# Allegro board board_orcad.brd
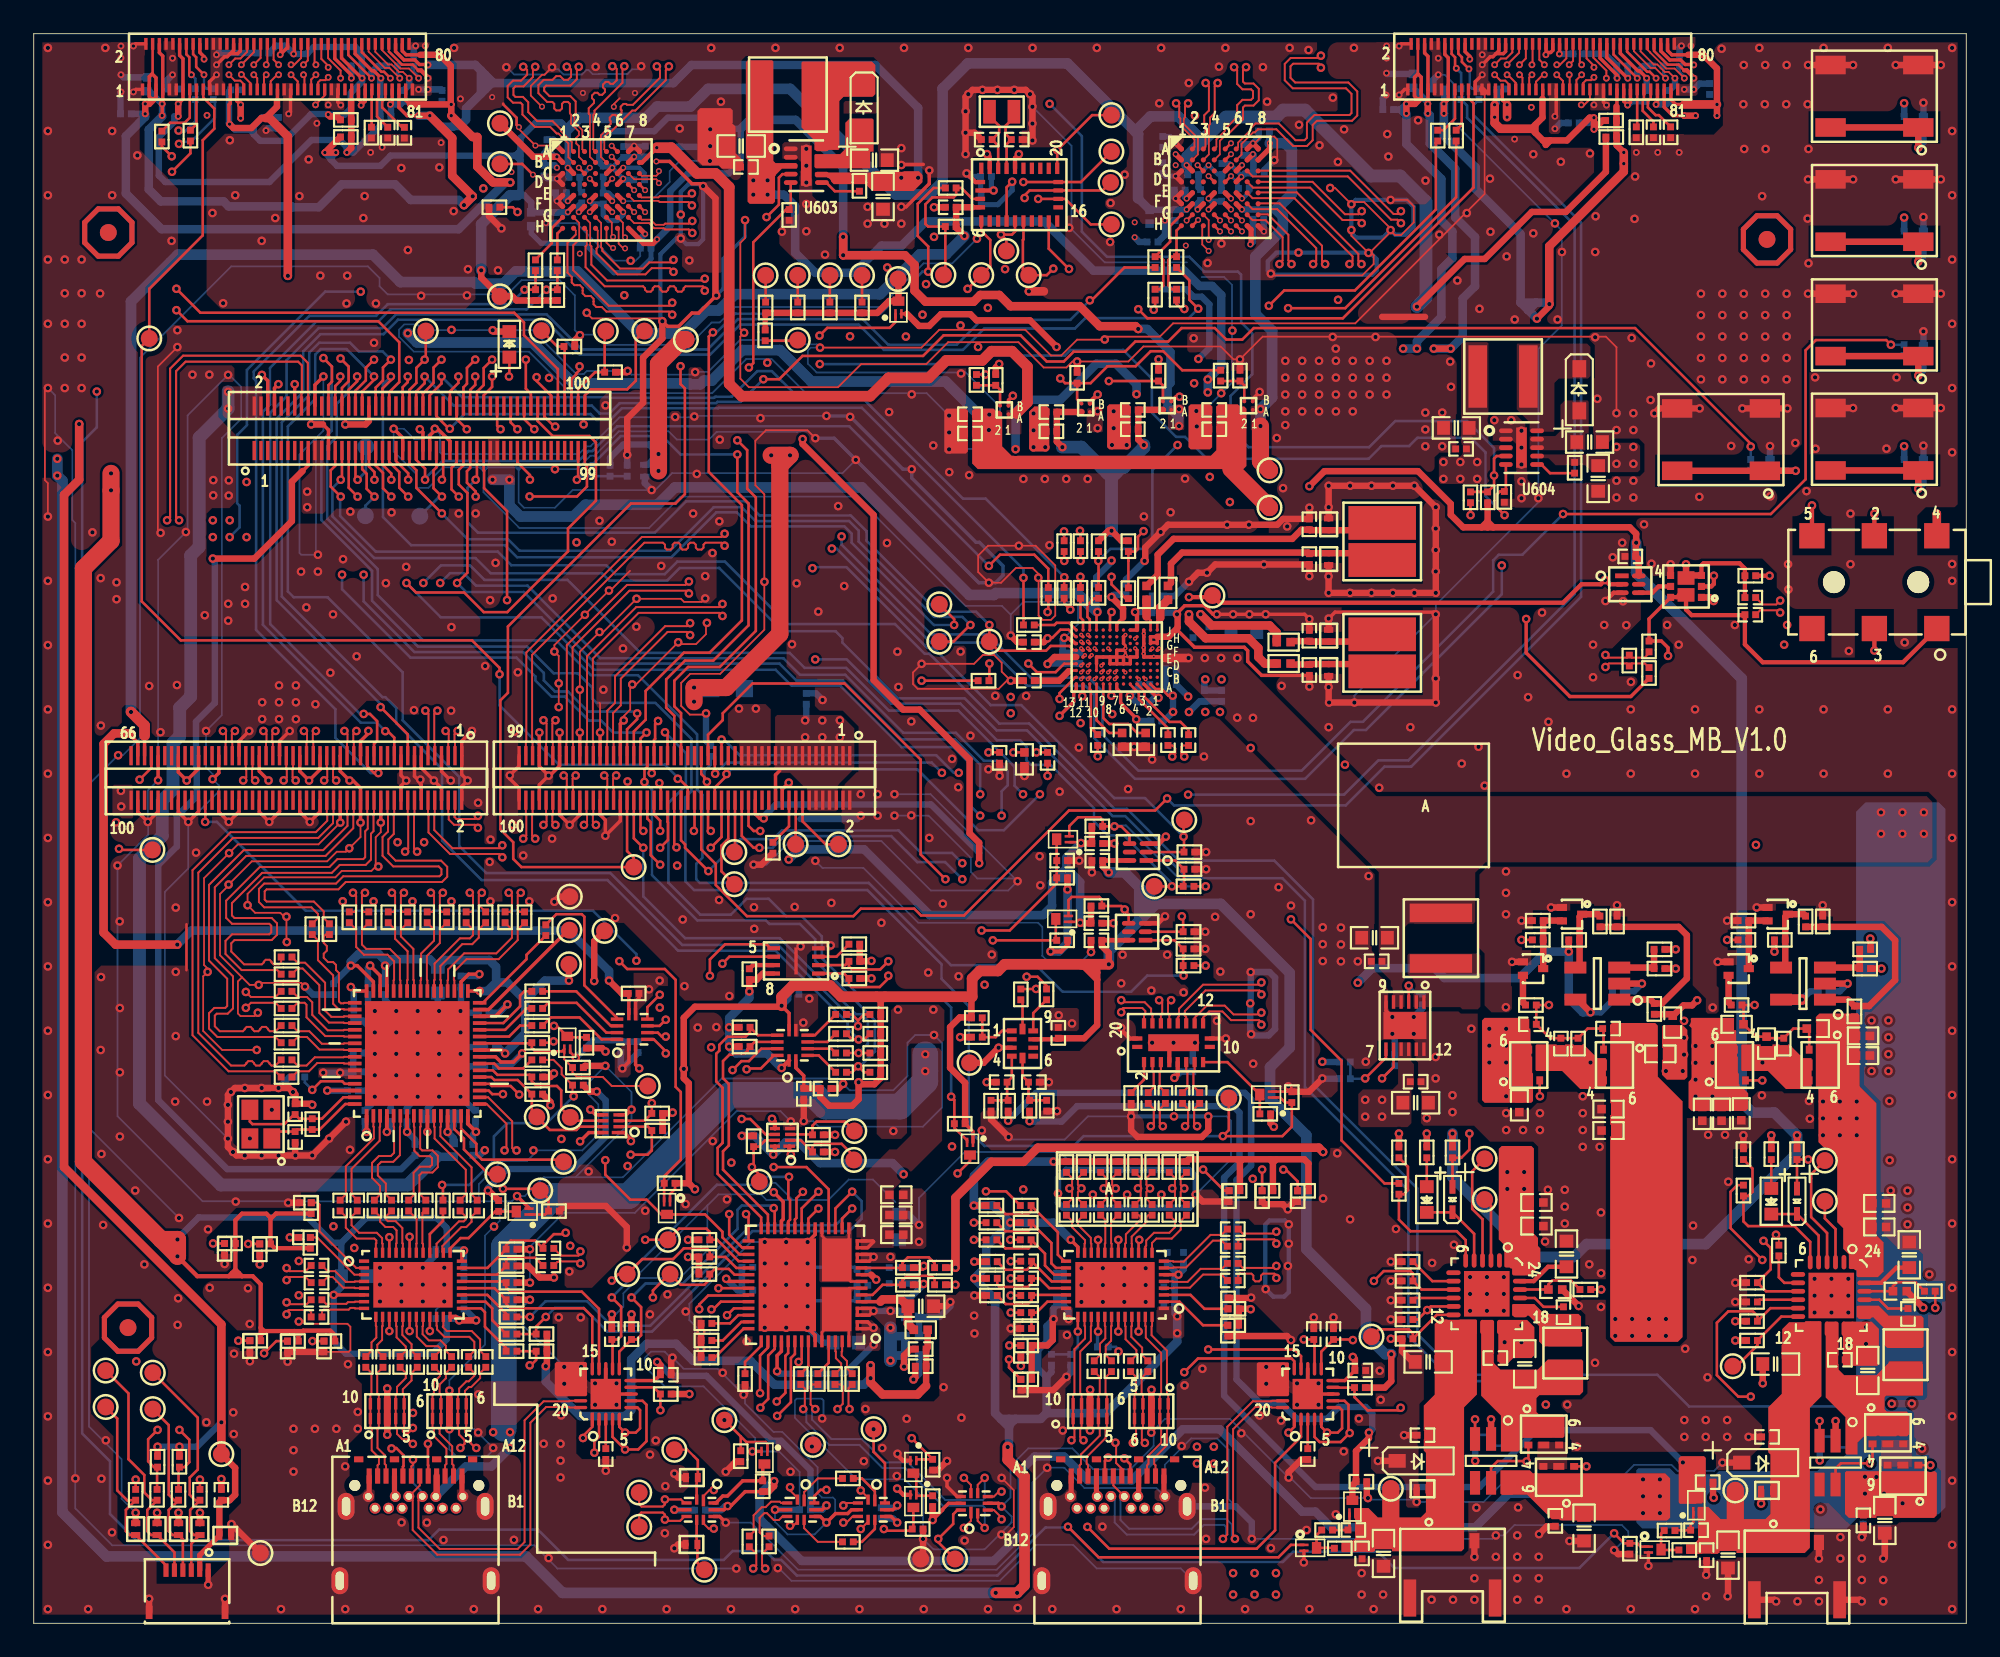
[diagram p0: board, top side]
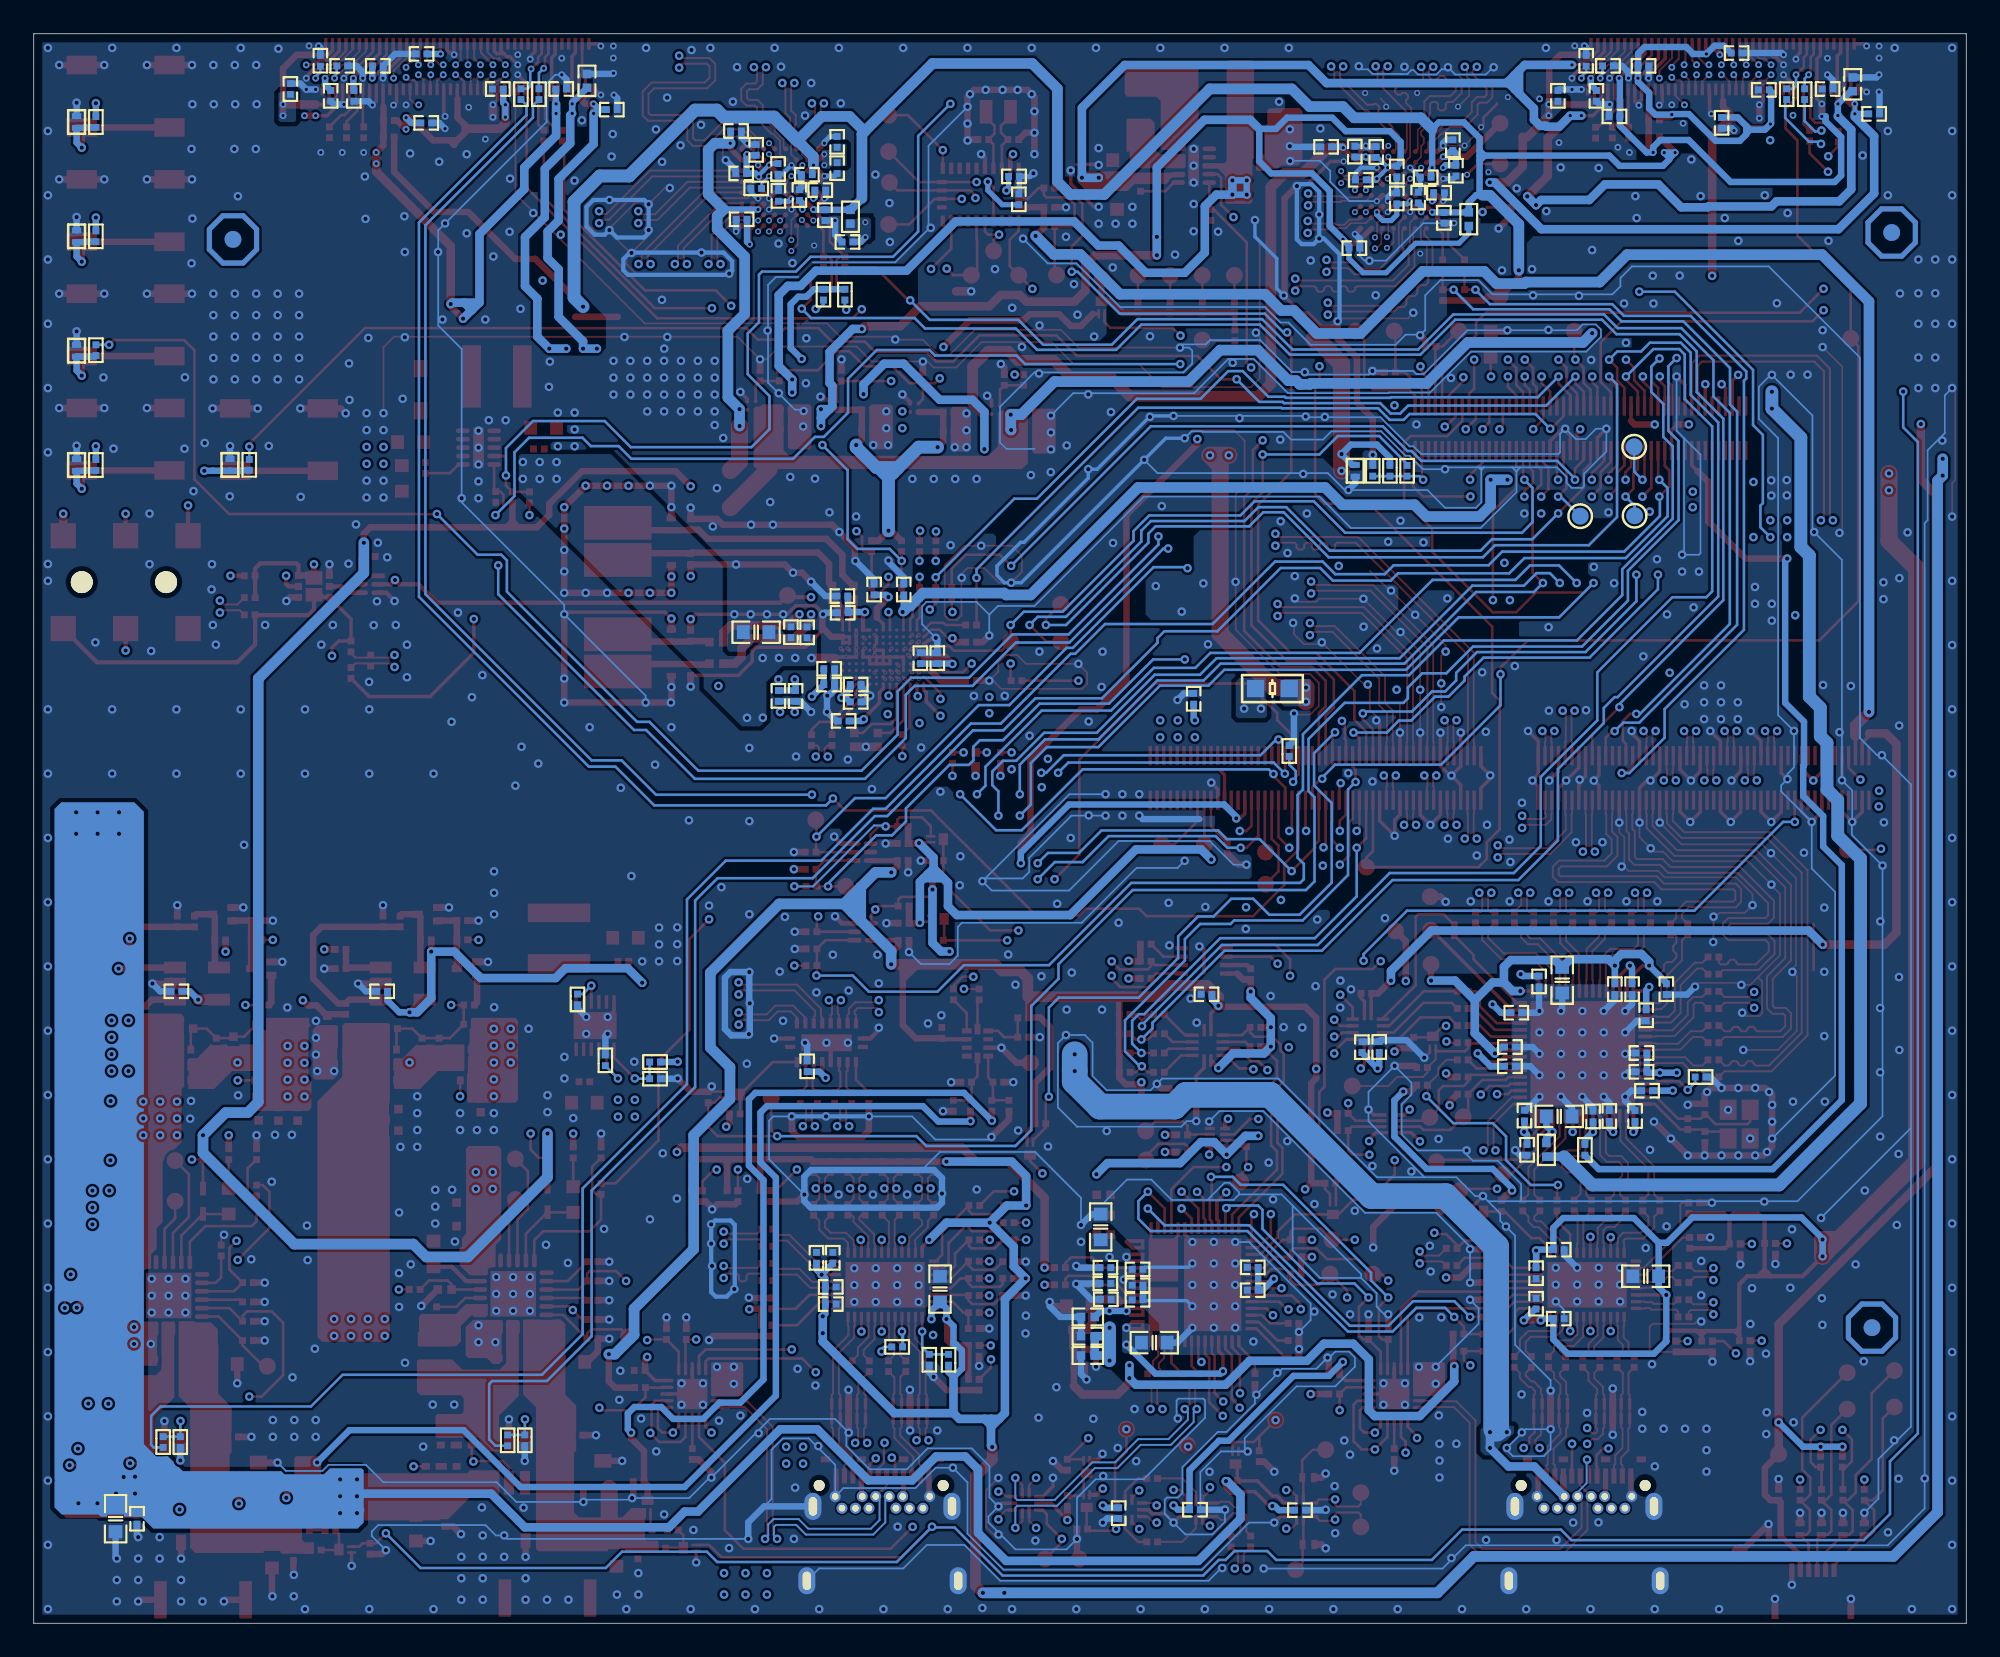
[diagram p1: board, bottom side, seen from below]

Outline 114.55 x 94.23 mm; copper layers: TOP, GND02, ART03, GND04, ART05, ART06, GND07, BOTTOM. Coordinates in mm from the lower left corner of the outline.
Outline path: 0,94.23 0,0 114.55,0 114.55,94.23 0,94.23

## Design rules (mm)
net group DIFFPAIR7: nets L_SSRXN L_SSRXP
net group DIFFPAIR8: nets L_SSTXN L_SSTXP
net group DIFFPAIR9: nets MIPI_CSI0_LANE1_N MIPI_CSI0_LANE1_P
net group DIFFPAIR10: nets MIPI_CSI0_CLK_N MIPI_CSI0_CLK_P
net group DIFFPAIR11: nets MIPI_CSI0_LANE2_N MIPI_CSI0_LANE2_P
net group DIFFPAIR12: nets MIPI_CSI0_LANE3_N MIPI_CSI0_LANE3_P
net group DIFFPAIR13: nets MIPI_CSI0_LANE0_N MIPI_CSI0_LANE0_P
net group DIFFPAIR14: nets N477541 N477545
net group DIFFPAIR15: nets N477533 N477537
net group DIFFPAIR16: nets HDMI_TX0_N HDMI_TX0_P
net group DIFFPAIR17: nets HDMI_TCLK_N HDMI_TCLK_P
net group DIFFPAIR18: nets HDMI_TX1_N HDMI_TX1_P
net group DIFFPAIR19: nets HDMI_TX2_N HDMI_TX2_P
net group DIFFPAIR20: nets MIPI_CSI1_LANE3_N MIPI_CSI1_LANE3_P
net group DIFFPAIR21: nets MIPI_CSI1_LANE2_N MIPI_CSI1_LANE2_P
net group DIFFPAIR22: nets MIPI_CSI1_CLK_N MIPI_CSI1_CLK_P
net group DIFFPAIR23: nets MIPI_CSI1_LANE0_N MIPI_CSI1_LANE0_P
net group DIFFPAIR24: nets MIPI_CSI1_LANE1_N MIPI_CSI1_LANE1_P
net group DIFFPAIR25: nets N3193999 N3195170
net group DIFFPAIR26: nets N3190992 N3192158
net group DIFFPAIR27: nets N514349 N514831
net group DIFFPAIR28: nets N3956842 N3956846
net group DIFFPAIR30: nets DP_D0+ DP_D0-
net group DIFFPAIR31: nets DP_D1+ DP_D1-
net group DIFFPAIR32: nets DP_D2+ DP_D2-
net group DIFFPAIR33: nets DP_D3+ DP_D3-
net group DIFFPAIR34: nets L_TX2+ L_TX2-
net group DIFFPAIR35: nets L_RX2+ L_RX2-
net group DIFFPAIR36: nets L_RX1+ L_RX1-
net group DIFFPAIR37: nets L_TX1+ L_TX1-
net group DIFFPAIR38: nets N1725409 N1726123
net group DP1_R_TX2: nets R_TX2+ R_TX2-
net group DP_N46599: nets N465991 N465995
net group DP_N148415: nets N1484153 N1484157
net group DP_N148492: nets N1484922 N1484926
net group DP_N148565: nets N1485655 N1485659
net group DP_N461675: nets N461675 N461827
net group DP_N465999: nets N465999 N466003
net group DP_N466007: nets N466007 N466011
net group DP_N809060: nets N809060 N809517
net group DP_N809979: nets N809979 N810442
net group DP_N810906: nets N810906 N811371
net group DP_N811837: nets N811837 N812368
net group DP_N813322: nets N813322 N813797
net group DP_N1483436: nets N1483436 N1483440
net group DP_N1490856: nets N1490856 N1491525
net group DP_N3079043: nets N3079043 N3080031
net group DP_N14207457: nets N14207457 N14208601
net group DP_N15459534: nets N15459534 N15459870
net group DP_N15460207: nets N15460207 N15460545
net group DP_N15460884: nets N15460884 N15461224
net group DP_R_RX2: nets R_RX2N R_RX2P
net group DP_R_TX1: nets R_TX1+ R_TX1-
net group DP_R_TX2: nets R_TX2N R_TX2P
net group DP_USB1_SS_RX: nets USB1_SS_RX_N USB1_SS_RX_P
net group DP_USB1_SS_TX: nets USB1_SS_TX_N USB1_SS_TX_P
net group L_AUX: nets L_AUXN L_AUXP
net group L_D: nets L_D+ L_D-
net group PA_BC_R_D: nets N4910945 N4911197
net group PA_R_D: nets PA_R_D+ PA_R_D-
net group PB_BC_L_D: nets N4905545 N4905795
net group PB_L_D: nets PB_L_D+ PB_L_D-
net group R_AUX: nets N1300992 N1828671
net group R_D: nets R_D+ R_D-
net group R_L_D: nets R_L_D+ R_L_D-
net group R_RX1: nets R_RX1+ R_RX1-
net group R_RX2: nets R_RX2+ R_RX2-
net group USB1_HS_: nets USB1_HS_N USB1_HS_P
net group CLS_CLK: nets CAM0_RST_N CAM1_RST_N CODEC_RESET_N HDMI_DDC_CLOCK IIS_MCLK IIS_SCLK L_LCD_RST L_RESET L_SPI_CLK PD_SPI_CLK R_LCD_RST R_RESET R_SPI_CLK SLIMBUS_CLK SS_CLK_SEL SSC_SPI_1_CLK SWD_CLK USB_HUB_RESET
net group LLV1_5: nets LLV1A LLV1B LLV2A LLV2B LLV3A LLV3B LLV4A LLV4B LLV5A LLV5B
net group LLV_6_10: nets LLV6A LLV6B LLV7A LLV7B LLV8A LLV8B LLV9A LLV9B LLV10A LLV10B
net group MIPI_DSI0_LANE0_3_PINGMU: nets MIPI_DSI0_CLK_N MIPI_DSI0_CLK_P MIPI_DSI0_LANE0_N MIPI_DSI0_LANE0_P MIPI_DSI0_LANE1_N MIPI_DSI0_LANE1_P MIPI_DSI0_LANE2_N MIPI_DSI0_LANE2_P MIPI_DSI0_LANE3_N MIPI_DSI0_LANE3_P
net group MIPI_DSI1_LANE0_3_PINGMU: nets MIPI_DSI1_CLK_N MIPI_DSI1_CLK_P MIPI_DSI1_LANE0_N MIPI_DSI1_LANE0_P MIPI_DSI1_LANE1_N MIPI_DSI1_LANE1_P MIPI_DSI1_LANE2_N MIPI_DSI1_LANE2_P MIPI_DSI1_LANE3_N MIPI_DSI1_LANE3_P
net group PWR: nets MICVDD PD_LDO_1V8 R_VDD1_1V8 RR_VBAT VREG_L14A_2P8 VREG_L17A_3P3 VREG_L22A_2P85 VREG_L23A_1P8 VREG_LVS1A_1P8 VREG_LVS2A_1P8 VSYNC
net group RLV_1_5: nets RLV1A RLV1B RLV2A RLV2B RLV3A RLV3B RLV4A RLV4B RLV5A RLV5B
net group RLV_6_10: nets RLV6A RLV6B RLV7A RLV7B RLV8A RLV8B RLV9A RLV9B RLV10A RLV10B
net group SDA_SCL: nets CCI_I2C_SCL0 CCI_I2C_SDA0 CODEC_SCL CODEC_SDA I2C1_SCL I2C1_SDA I2C2_SCL I2C2_SDA I2C_L_SCL I2C_L_SDA I2C_LEVEL_SCL1 I2C_LEVEL_SCL2 I2C_LEVEL_SDA1 I2C_LEVEL_SDA2 I2C_R_SCL I2C_R_SDA I2C_SCL I2C_SDA LT_I2C_SCL LT_I2C_SDA R_I2C_SCL R_I2C_SDA TP_SCL TP_SDA

## Placement (name value [footprint] x y rotation side)
C401  #VAL  [C0201]  35.43 17.14 90 top
C402  #VAL  [C0201]  34.26 17.14 90 top
C403  #VAL  [C0201]  33.91 10.03 270 top
C404  #VAL  [C0201]  37.47 14.73 0 top
C405  #VAL  [C0402]  98.91 30.2 270 top
C406  #VAL  [C0402]  51.13 24.21 0 top
C407  #VAL  [C0402]  100.05 30.2 270 top
C408  #VAL  [C0402]  51.13 25.4 0 top
C409  #VAL  [C0603]  19 20.57 0 bottom
C410  #VAL  [C0201]  24.16 18.06 180 bottom
C411  #VAL  [C0201]  25.5 18.95 90 bottom
C412  #VAL  [C0201]  25.5 20.75 270 bottom
C413  #VAL  [C0201]  24.16 22.15 180 bottom
C414  #VAL  [C0201]  26.8 15.49 90 top
C415  #VAL  [C0201]  25.78 15.49 90 top
C416  #VAL  [C0201]  20.7 15.49 90 top
C417  #VAL  [C0201]  19.68 15.49 90 top
C418  #VAL  [C0201]  22.73 15.49 90 top
C419  #VAL  [C0201]  21.72 15.49 90 top
C420  #VAL  [C0201]  16.76 20.19 180 top
C421  #VAL  [C0201]  16.76 21.21 180 top
C422  #VAL  [C0201]  16.76 18.16 180 top
C423  #VAL  [C0201]  16.76 19.18 180 top
C424  #VAL  [C0201]  30.51 21.21 0 top
C425  #VAL  [C0201]  30.51 22.23 0 top
C426  #VAL  [C0201]  18.16 24.77 90 top
C427  #VAL  [C0201]  19.18 24.77 90 top
C428  #VAL  [C0201]  20.19 24.77 90 top
C429  #VAL  [C0201]  21.21 24.77 90 top
C430  #VAL  [C0201]  22.23 24.77 90 top
C431  #VAL  [C0201]  23.24 24.77 90 top
C432  #VAL  [C0201]  25.27 24.77 90 top
C433  #VAL  [C0201]  26.29 24.77 90 top
C434  #VAL  [C0201]  23.75 15.49 90 top
C435  #VAL  [C0201]  24.77 15.49 90 top
C436  #VAL  [C0201]  45.72 6.73 180 bottom
C437  #VAL  [C0201]  39.5 6.71 180 bottom
C438  #VAL  [C0201]  50.24 6.53 270 bottom
C501  #VAL  [C0201]  71.08 21.34 180 top
C502  #VAL  [C0201]  71.08 20.32 180 top
C503  #VAL  [C0201]  71.08 23.37 180 top
C504  #VAL  [C0201]  71.08 22.35 180 top
C505  #VAL  [C0201]  68.33 24.51 270 top
C506  #VAL  [C0201]  67.31 24.51 270 top
C507  #VAL  [C0201]  66.29 24.51 270 top
C508  #VAL  [C0201]  65.28 24.51 270 top
C509  #VAL  [C0201]  64.26 24.51 270 top
C510  #VAL  [C0201]  63.25 24.51 270 top
C511  #VAL  [C0201]  62.23 24.51 270 top
C512  #VAL  [C0201]  61.21 24.51 270 top
C513  #VAL  [C0201]  58.83 20.45 0 top
C514  #VAL  [C0201]  58.83 21.46 0 top
C515  #VAL  [C0201]  66.04 15.24 270 top
C516  #VAL  [C0201]  65.02 15.24 270 top
C517  #VAL  [C0201]  63.88 15.24 270 top
C518  #VAL  [C0201]  62.87 15.24 270 top
C519  #VAL  [C0603]  60.83 19.81 90 bottom
C520  #VAL  [C0201]  67.19 21.67 90 bottom
C521  #VAL  [C0201]  67.31 19.94 180 bottom
C522  #VAL  [C0201]  68.16 21.67 90 bottom
C523  #VAL  [C0201]  67.31 18.92 180 bottom
C524  #VAL  [C0201]  45.8 54.81 90 bottom
C525  #VAL  [C0201]  66.07 31.14 90 top
C526  #VAL  [C0201]  67.08 31.14 90 top
C527  #VAL  [C0201]  68.1 31.14 90 top
C528  #VAL  [C0201]  69.11 31.14 90 top
C529  #VAL  [C0201]  68.71 33.02 90 bottom
C530  #VAL  [C0201]  77.05 17.14 90 top
C531  #VAL  [C0201]  75.88 17.14 90 top
C532  #VAL  [C0201]  75.52 10.03 270 top
C533  #VAL  [C0201]  78.63 14.99 0 top
C534  #VAL  [C0402]  93.34 30.48 180 top
C535  #VAL  [C0402]  52.07 15.88 0 bottom
C536  #VAL  [C0402]  52.07 17.02 0 bottom
C537  #VAL  [C0402]  93.34 29.21 180 top
C601  #VAL  [C0603]  41.94 87.58 180 top
C602  #VAL  [C0201]  42.21 86.33 180 top
C603  #VAL  [C0603]  49.83 86.74 0 top
C604  #VAL  [C0603]  50.34 84.58 270 top
C605  #VAL  [C0603]  84.33 70.87 180 top
C606  #VAL  [C0201]  84.61 69.62 180 top
C607  #VAL  [C0603]  92.23 70.03 0 top
C608  #VAL  [C0603]  92.74 67.87 270 top
C609  #VAL  [C0201]  30.96 83.32 270 bottom
C610  #VAL  [C0201]  68.72 85.88 0 bottom
C611  #VAL  [C0201]  67.65 83.48 270 bottom
C612  #VAL  [C0201]  32.04 85.72 0 bottom
C613  #VAL  [C0201]  33.76 84.47 90 bottom
C614  #VAL  [C0201]  30.43 87.63 90 bottom
C615  #VAL  [C0201]  37.95 87.53 0 bottom
C616  #VAL  [C0201]  31.25 84.81 180 bottom
C617  #VAL  [C0201]  30.25 86.12 270 bottom
C618  #VAL  [C0201]  32.49 84.52 90 bottom
C619  #VAL  [C0201]  66.93 86.27 270 bottom
C620  #VAL  [C0201]  66.93 87.82 90 bottom
C621  #VAL  [C0201]  67.93 84.96 180 bottom
C622  #VAL  [C0201]  70.41 84.62 90 bottom
C623  #VAL  [C0201]  72.92 88.47 180 bottom
C624  #VAL  [C0201]  69.17 84.67 90 bottom
C625  #VAL  [C0201]  70.43 86.22 270 bottom
C626  #VAL  [C0201]  72.59 83.24 0 bottom
C627  #VAL  [C0201]  72.62 85.95 0 bottom
C628  #VAL  [C0201]  66.32 81.89 0 bottom
C629  #VAL  [C0201]  71.73 87.35 90 bottom
C630  #VAL  [C0201]  36.27 81.52 180 bottom
C631  #VAL  [C0201]  34.98 87.22 90 bottom
C632  #VAL  [C0201]  33.76 86.07 270 bottom
C633  #VAL  [C0201]  35.89 85.57 0 bottom
C634  #VAL  [C0201]  36.25 87.25 90 bottom
C635  #VAL  [C0201]  24.21 90.55 270 bottom
C636  #VAL  [C0402]  6.73 91.24 270 bottom
C637  #VAL  [C0201]  20.85 89.33 180 bottom
C638  #VAL  [C0201]  12 90.91 180 bottom
C639  #VAL  [C0201]  14.5 88.95 270 bottom
C640  #VAL  [C0201]  19.13 92.33 0 bottom
C641  #VAL  [C0201]  13.61 93.09 180 bottom
C642  #VAL  [C0201]  8.22 90.96 0 bottom
C643  #VAL  [C0201]  21.24 92.33 0 bottom
C644  #VAL  [C0201]  21.92 90.55 90 bottom
C645  #VAL  [C0201]  20.98 88.37 90 top
C646  #VAL  [C0201]  22.53 92.63 270 bottom
C647  #VAL  [C0201]  21.97 88.37 90 top
C648  #VAL  [C0201]  5.46 89.48 0 bottom
C649  #VAL  [C0201]  99.34 90.96 270 bottom
C650  #VAL  [C0402]  81.76 91.44 270 bottom
C651  #VAL  [C0201]  95.58 90.55 90 bottom
C652  #VAL  [C0201]  91.29 88.95 0 bottom
C653  #VAL  [C0201]  94.16 92.33 180 bottom
C654  #VAL  [C0201]  91.57 93.04 180 bottom
C655  #VAL  [C0201]  87.05 90.96 0 bottom
C656  #VAL  [C0201]  83.29 90.96 0 bottom
C657  #VAL  [C0201]  96.27 92.33 0 bottom
C658  #VAL  [C0201]  96.95 90.55 90 bottom
C659  #VAL  [C0201]  96.01 88.39 90 top
C660  #VAL  [C0201]  97.56 92.63 270 bottom
C661  #VAL  [C0201]  97.03 88.39 90 top
C662  #VAL  [C0201]  80.29 89.74 0 bottom
C701  #VAL  [C0201]  15.49 28.83 270 top
C702  #VAL  [C0201]  15.49 30.48 90 top
C703  #VAL  [C0201]  35.82 34.16 90 bottom
C704  #VAL  [C0201]  34.8 34.16 90 bottom
C705  #VAL  [C0201]  62.99 41.5 0 top
C706  #VAL  [C0201]  63.04 46.23 0 top
C707  #VAL  [C0201]  63.04 45.21 180 top
C708  #VAL  [C0201]  62.99 40.49 180 top
C709  #VAL  [C0603]  23.95 38.13 270 bottom
C710  #VAL  [C0201]  27.05 34.16 180 bottom
C711  #VAL  [C0201]  26.04 28.07 270 bottom
C712  #VAL  [C0201]  22.12 30.05 90 bottom
C713  #VAL  [C0201]  20.83 37.59 270 bottom
C714  #VAL  [C0201]  17.78 37.59 270 bottom
C715  #VAL  [C0201]  18.92 31.57 0 bottom
C716  #VAL  [C0201]  26.19 30.1 90 bottom
C717  #VAL  [C0603]  24.13 30.05 180 bottom
C718  #VAL  [C0201]  27.05 33.02 180 bottom
C719  #VAL  [C0201]  26.67 36.2 180 bottom
C720  #VAL  [C0201]  25.32 38.05 270 bottom
C722  #VAL  [C0201]  19.25 33.81 0 bottom
C723  #VAL  [C0201]  18.97 36.04 270 bottom
C724  #VAL  [C0201]  19.63 30.07 90 bottom
C725  #VAL  [C0201]  19.81 37.59 270 bottom
C726  #VAL  [C0201]  19.25 32.69 0 bottom
C727  #VAL  [C0201]  21.16 30.07 90 bottom
C728  #VAL  [C0201]  60.96 45.21 0 top
C729  #VAL  [C0201]  60.33 71.81 180 top
C730  #VAL  [C0201]  60.33 70.66 180 top
C731  #VAL  [C0201]  65.15 71.93 180 top
C732  #VAL  [C0201]  65.15 70.79 180 top
C733  #VAL  [C0201]  55.5 70.54 180 top
C734  #VAL  [C0201]  55.5 71.68 180 top
C735  #VAL  [C0201]  69.98 71.93 180 top
C736  #VAL  [C0201]  69.98 70.79 180 top
C801  #VAL  [C0201]  49.12 20.98 180 bottom
C802  #VAL  [C0201]  49.12 20.04 180 bottom
C803  #VAL  [C0201]  51 19.2 0 bottom
C804  #VAL  [C0201]  49.12 19.18 180 bottom
C805  #VAL  [C0201]  51.03 21.08 0 bottom
C806  #VAL  [C0201]  42.3 21.1 0 bottom
C807  #VAL  [C0201]  42.3 19.74 0 bottom
C808  #VAL  [C0603]  79.48 40.64 180 top
C809  #VAL  [C0201]  79.6 39.24 180 top
C810  #VAL  [C0603]  81.92 30.86 180 top
C811  #VAL  [C0201]  81.92 32.11 0 top
C812  #VAL  [C0603]  52.58 18.8 180 top
C813  #VAL  [C0603]  48.13 16.64 0 bottom
C814  #VAL  [C0603]  51.31 23.5 270 bottom
C815  #VAL  [C0402]  52.07 18.16 0 bottom
C816  #VAL  [C0402]  51.13 23.04 0 top
C817  #VAL  [C0402]  97.16 35.61 90 top
C818  #VAL  [C0201]  88.75 35.51 0 top
C819  #VAL  [C0201]  90.53 34.37 90 top
C820  #VAL  [C0201]  93.32 35.26 180 top
C821  #VAL  [C0201]  93.9 37.47 0 bottom
C822  #VAL  [C0402]  108.43 33.66 0 top
C823  #VAL  [C0402]  88.06 30.71 270 top
C824  #VAL  [C0402]  101.22 30.23 270 top
C825  #VAL  [C0402]  96.42 33.76 0 top
C826  #VAL  [C0402]  108.43 34.82 180 top
C827  #VAL  [C0402]  105.51 35.26 180 top
C828  #VAL  [C0402]  102.72 34.37 90 top
C829  #VAL  [C0402]  100.94 35.51 0 top
C830  #VAL  [C0201]  106.1 37.47 0 bottom
C831  #VAL  [C0201]  45.03 37.29 0 bottom
C832  #VAL  [C0201]  45.64 31.39 270 top
C833  #VAL  [C0201]  46.94 31.7 0 top
C834  #VAL  [C0201]  51.03 20.14 0 bottom
C835  #VAL  [C0201]  52.58 16.26 180 top
C836  #VAL  [C0201]  52.58 15.24 180 top
C901  #VAL  [C0402]  89.08 24.94 0 top
C902  #VAL  [C0402]  89.08 23.55 0 top
C903  #VAL  [C0603]  90.86 21.89 270 top
C904  #VAL  [C0201]  90.68 18.44 270 top
C905  #VAL  [C0402]  90.2 19.79 180 top
C906  #VAL  [C0603]  82.65 15.49 180 top
C907  #VAL  [C0402]  109.4 23.5 0 top
C908  #VAL  [C0402]  109.4 24.89 0 top
C909  #VAL  [C0603]  111.18 21.84 270 top
C910  #VAL  [C0201]  111.1 18.34 270 top
C911  #VAL  [C0402]  110.62 19.68 180 top
C912  #VAL  [C0603]  103.25 15.37 180 top
C913  #VAL  [C0603]  108.71 14.99 270 top
C914  #VAL  [C0201]  107.06 15.62 0 top
C917  #VAL  [C0603]  109.7 6.2 90 bottom
C918  #VAL  [C0603]  109.73 6.1 90 top
C919  #VAL  [C0201]  108.43 6.2 270 bottom
C920  #VAL  [C0201]  108.46 6.1 270 top
C921  #VAL  [C0603]  91.9 5.64 90 top
C922  #VAL  [C0201]  90.2 6.07 270 top
C923  #VAL  [C0603]  88.38 15.38 270 top
C924  #VAL  [C0201]  86.64 15.72 0 top
C925  #VAL  [C0201]  57.38 32.08 180 top
C926  #VAL  [C0201]  59.28 32.08 0 top
C927  #VAL  [C0201]  60.73 35 90 top
C928  #VAL  [C0201]  78.7 8.39 0 top
C929  #VAL  [C0201]  78.74 4.14 270 top
C930  #VAL  [C0603]  80.01 4.14 90 top
C931  #VAL  [C0201]  99.16 4.04 270 top
C932  #VAL  [C0603]  100.43 4.04 90 top
C933  #VAL  [C0201]  99.22 8.37 0 top
C934  #VAL  [C0201]  82.32 11.15 180 top
C935  #VAL  [C0201]  102.74 11.05 180 top
C936  #VAL  [C0201]  78.22 5.53 180 top
C937  #VAL  [C0201]  98.54 5.52 180 top
C1001  #VAL  [C0201]  58.99 58.17 180 top
C1002  #VAL  [C0201]  57.25 51.31 270 top
C1003  #VAL  [C0201]  60.1 51.31 270 top
C1004  #VAL  [C0402]  65.91 52.37 270 top
C1005  #VAL  [C0402]  64.52 52.37 270 top
C1006  #VAL  [C0201]  63.07 52.36 90 top
C1007  #VAL  [C0402]  58.72 51.22 270 top
C1008  #VAL  [C0201]  67.23 52.36 270 top
C1009  #VAL  [C0201]  68.45 52.36 270 top
C1010  #VAL  [C0201]  58.99 55.88 180 top
C1011  #VAL  [C0201]  75.62 63.09 270 top
C1012  #VAL  [C0201]  75.62 65.15 90 top
C1013  #VAL  [C0201]  75.62 58.55 90 top
C1014  #VAL  [C0201]  75.62 56.52 270 top
C1015  #VAL  [C0603]  71.73 58.76 0 bottom
C1016  #VAL  [C0201]  68.71 58.75 90 bottom
C1017  #VAL  [C0201]  69.67 58.76 90 bottom
C1018  #VAL  [C0201]  66.6 59.91 0 bottom
C1019  #VAL  [C0201]  65.83 55.65 180 bottom
C1020  #VAL  [C0201]  64.74 61.29 90 bottom
C1021  #VAL  [C0201]  62 57.22 90 bottom
C1022  #VAL  [C0201]  65.83 54.62 180 bottom
C1023  #VAL  [C0201]  66.55 53.49 0 bottom
C1024  #VAL  [C0201]  66.62 60.9 0 bottom
C1025  #VAL  [C0201]  101.75 59.79 180 top
C1026  #VAL  [C0201]  101.75 60.81 180 top
C1027  #VAL  [C0201]  69.39 54.98 270 bottom
C1028  #VAL  [C0201]  70.41 54.98 270 bottom
C1029  #VAL  [C0201]  67.4 55.65 180 bottom
C1030  #VAL  [C0201]  67.4 56.59 180 bottom
C1031  #VAL  [C0201]  94.64 63.25 180 top
C1032  #VAL  [C0201]  62.98 61.29 90 bottom
C1033  #VAL  [C0201]  60.99 57.22 90 bottom
C1101  #VAL  [C0201]  56.45 85.78 180 bottom
C1102  #VAL  [C0201]  54.36 83.95 180 top
C1103  #VAL  [C0201]  56.16 84.42 90 bottom
C1104  #VAL  [C0201]  56.49 87.96 180 top
C1105  #VAL  [C0201]  58.27 87.96 0 top
C1106  #VAL  [C0201]  11.12 7.61 270 top
D601  -  [SOD323]  49.23 89.84 90 top
D602  -  [SOD323]  91.62 73.13 90 top
D603  #VAL  [SOD523]  84.1 25.12 270 top
D604  #VAL  [SOD523]  104.52 25.02 270 top
D605  -  [SOD323]  82.07 9.63 180 top
D606  -  [SOD323]  102.49 9.53 180 top
J301  #REF  [DF40C-100DS]  38.57 50.11 180 top
J302  #REF  [DF40C-100DS]  22.87 70.84 0 top
J401  #VAL  [TYPE-C-31-M-04]  19.03 8.17 0 top
J501  #REF  [DF40C-100DS]  15.57 50.11 180 top
J502  #VAL  [TYPE-C-31-M-04]  60.65 8.17 0 top
J601  #REF  [FF0881SA1-R3000]  14.45 92.28 180 top
J602  #REF  [FF0881SA1-R3000]  89.45 92.28 180 top
J901  #REF  [BM02B-ADHSS_2P]  84.1 3.2 90 top
J902  #REF  [BM02B-ADHSS_2P]  104.52 3.09 90 top
J1001  #REF  [PAD_2P_4020]  79.93 57.53 90 top
J1002  #REF  [PAD_2P_4020]  79.93 64.14 270 top
J1003  #REF  [PJ-237-A]  109.11 61.72 180 top
J1101  #REF  [K2-1187UQ]  109.11 90.53 180 top
J1102  #REF  [K2-1187UQ]  109.11 76.97 180 top
J1103  #REF  [K2-1187UQ]  109.11 70.19 180 top
J1104  #REF  [K2-1187UQ]  109.11 83.75 180 top
J1105  #VAL  [FH34SRJ-6S-0R5SH]  9.09 1.9 0 top
J1106  #REF  [K2-1187UQ]  100.02 70.17 180 top
L601  #REF  [L4020]  44.7 90.63 0 top
L602  #REF  [L4020]  87.1 73.91 0 top
L801  #REF  [L4020]  83.41 40.61 270 top
L901  #REF  [L2520]  90.79 16.02 270 top
L902  #REF  [L2520]  110.96 15.92 270 top
LED301  #VAL  [LED_0603]  82.58 25.12 270 top
LED302  #VAL  [LED_0603]  103 25.02 270 top
LED304  #VAL  [LED_0603]  28.19 75.82 90 top